# Altium PCB SimPad_2_Anniversary_Edition.PcbDoc
Units mm, origin at the board's own origin, x right, y up, seen from the top; angles counter-clockwise.
Board outline 50 x 50 mm, 2 copper layers (Top Layer, Bottom Layer); 19 components, 26 nets, 114 pads, 49 vias.
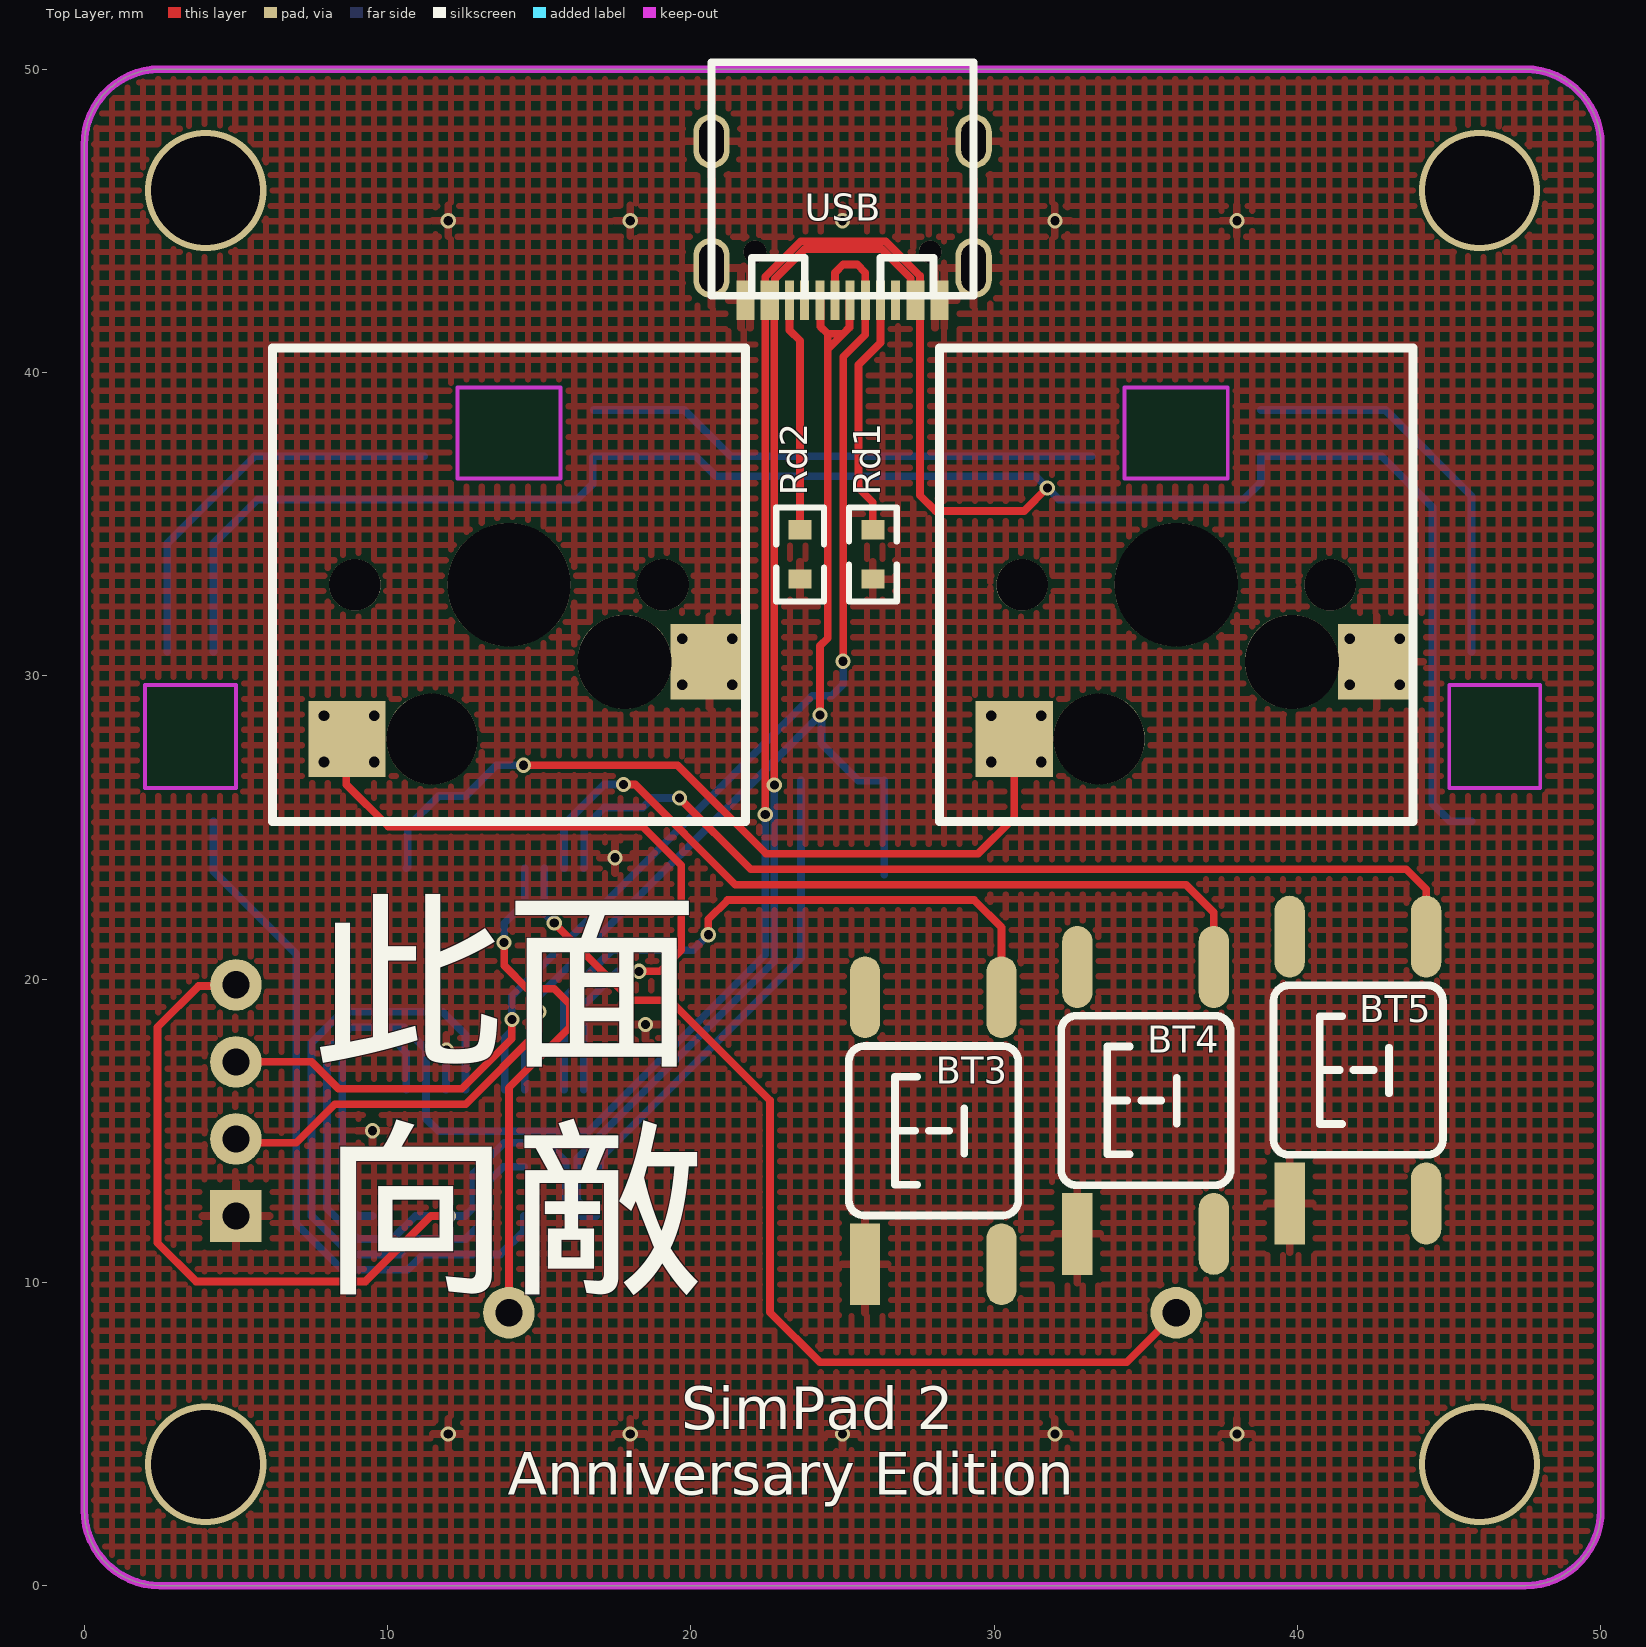
[diagram p0: Top Layer view]
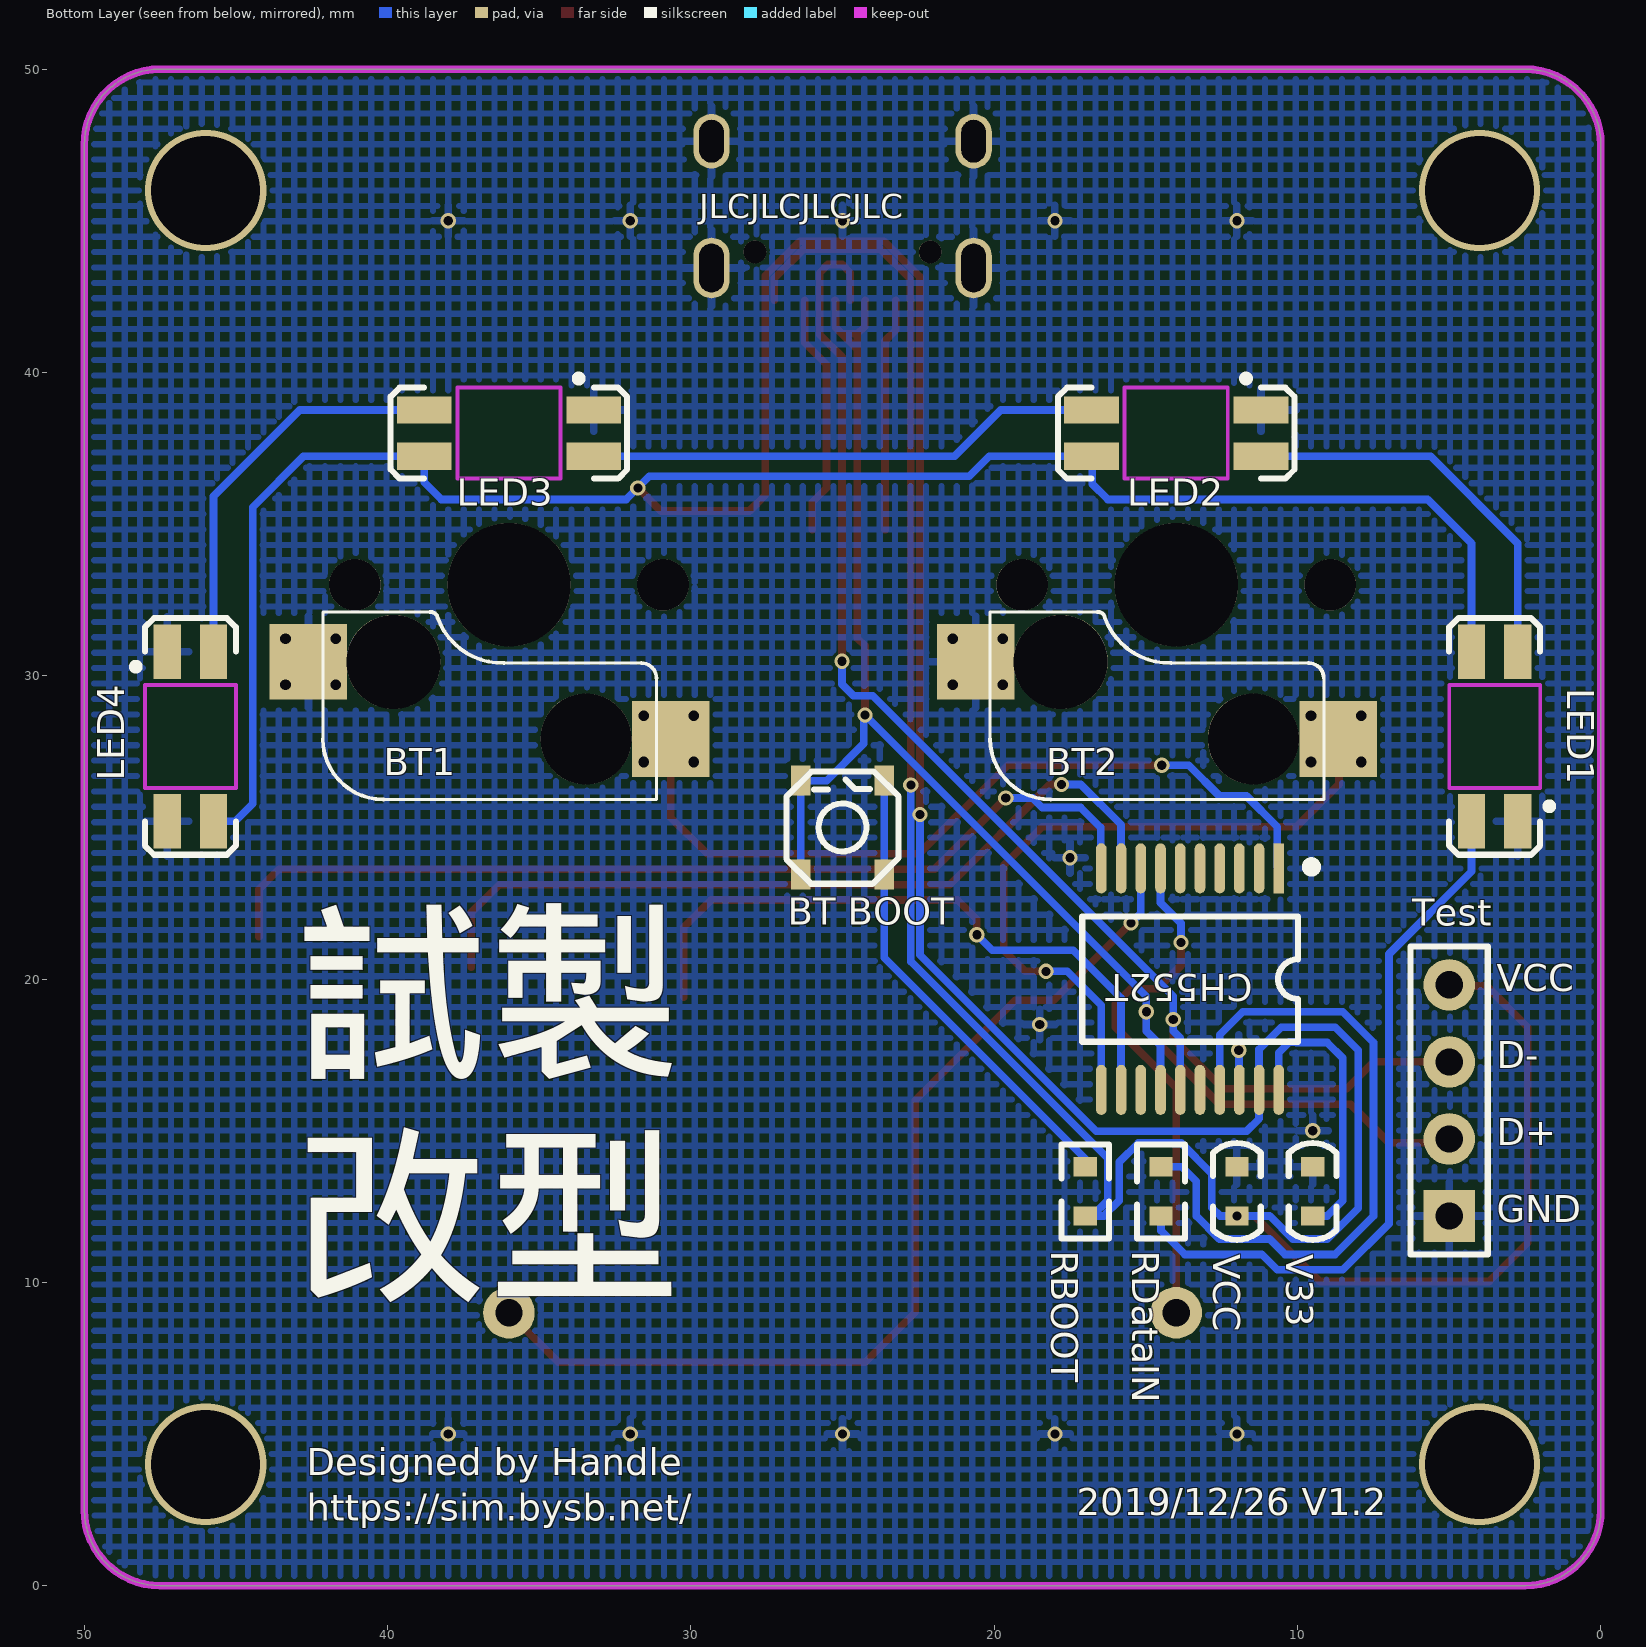
[diagram p1: Bottom Layer view, seen from below]

## Layer stack, top to bottom
Top Solder: solder mask 0.0102, Solder Resist, Dk 3.5
Top Layer: signal copper 0.0356
Dielectric 1: dielectric 0.32, FR-4, Dk 4.8
Bottom Layer: signal copper 0.0356
Bottom Solder: solder mask 0.0102, Solder Resist, Dk 3.5

## Board outline
2.5,0 cw(c2.5,2.5) 0,2.5 0,47.498 0,47.5 cw(c2.5,47.5) 2.5,50 2.502,50 47.5,50 cw(c47.5,47.5) 50,47.5 50,2.502 50,2.5 cw(c47.5,2.5) 47.5,0 47.498,0

## Design rules (kind name [scope] priority, off if disabled: settings)
Clearance [All] p1: gap=0.1 ignorepadtopadclearanceinfootprint=FALSE
ComponentClearance [All] p1: gap=0.254 collisioncheckmode=3 verticalgap=2540 showdistances=FALSE
PolygonConnect [All] p1: connectstyle=Relief reliefconductorwidth=0.254 reliefentries=4 polygonreliefangle="90 Angle" airgapwidth=0.254
RoutingVias [All] p1: holewidth=0.711 width=1.27 viastyle="Through Hole" minholewidth=0.711 minwidth=1.27 maxholewidth=0.711 maxwidth=1.27
SilkToSilkClearance [All] p1: silktosilkclearance=0.127
SolderMaskExpansion [All] p1: expansion=0.102
Width [All] p1: maxlimit=2 minlimit=0.1 preferedwidth=0.254
28 further rules are at their usual default settings.

## Components (designator, comment, footprint, x,y, rotation, side; value= is the part's Value field where it differs from the comment)
BT1 "轴体" Switch_Socket_5P 36,33 r180 bottom
BT2 "轴体" Switch_Socket_5P 14,33 r180 bottom
BT3 "6x6x5" "TSW SMD-6*6*4.3" 28,15 r90 top
BT4 "6x6x5" "TSW SMD-6*6*4.3" 35,16 r90 top
BT5 "6x6x5" "TSW SMD-6*6*4.3" 42,17 r90 top
"BT BOOT" "贴片开关" "3.7x3.7 Switch" 25.003,25 r90 bottom
CH552T "CH552T" SSOP20 13.542,20 r90 bottom
LED1 "WS2812B" "3528B LED" 3.5,28 r90 bottom
LED2 "WS2812B" "3528B LED" 14,38 r0 bottom
LED3 "WS2812B" "3528B LED" 36,38 r0 bottom
LED4 "WS2812B" "3528B LED" 46.5,28 r270 bottom
RBOOT "5.1KΩ" 0603R 17,13 r270 bottom
Rd1 "5.1KΩ" 0603R 26,34 r270 top
Rd2 "5.1KΩ" 0603R 23.6,34 r90 top
RDataIN "500Ω" 0603R 14.5,13 r90 bottom
Test "HDR-1X4" HDR2.54-M-LI-4P 5,16 r90 bottom
USB "USB-C" USB-typeC-16P-SMT 25,45 r180 top
V33 "0.1μF" 0603C 9.5,13 r90 bottom
VCC "0.1μF" 0603C 12,13 r90 bottom

## Footprints (in the part's own frame and the unit in brackets; to place one, negate y for a bottom-side part, rotate by r counter-clockwise, add the part's x,y. Pads: shape width x height; smd on the part's side, far side on the other; paste and mask are expansions set on the pad)
"3.7x3.7 Switch" [mm] "贴片轻触簧片"
  rect 1x0.65 smd: 1(-1.55,1.375) 2(1.55,1.375) 3(-1.55,-1.375) 4(1.55,-1.375)
  silkscreen extent -1.86,-1.85 1.84,1.85
0603C [mil] "0603封装 电容"
  rect 25x30 smd: 1(-32,0) 2(32,0)
  silkscreen extent -63,-31 63,31
0603R [mil] "0603封装 电阻"
  rect 25x30 smd: 1(-32,0) 2(32,0)
  silkscreen extent -61,-31 61,31
"3528B LED" [mm] "WS2812B  反贴"
  rect 1.8x0.9 smd: 1(2.794,0.762) 2(2.794,-0.762) 3(-2.794,-0.762) 4(-2.794,0.762)
  Keep-Out Layer lines w0.127: -1.7,-1.5 -1.7,1.5 1.7,1.5 1.7,-1.5 -1.7,-1.5
  silkscreen extent -3.9,-1.9 3.9,1.5
HDR2.54-M-LI-4P [mm] "排母，4脚"
  rect 1.7x1.7 hole 0.9: 1(-3.81,0)
  round 1.7 hole 0.9: 2(-1.27,0) 3(1.27,0) 4(3.81,0)
  silkscreen extent -5.08,-1.27 5.08,1.27, body extent -5.08,-1.27 5.08,1.27, height 8.5
SSOP20 [mm]
  rect 1.65x0.35 smd: 1(3.65,-2.925)
  oval 1.65x0.35 smd: 2(3.65,-2.275) 3(3.65,-1.625) 4(3.65,-0.975) 5(3.65,-0.325) 6(3.65,0.325) 7(3.65,0.975) 8(3.65,1.625) 9(3.65,2.275) 10(3.65,2.925) 11(-3.65,2.925) 12(-3.65,2.275) 13(-3.65,1.625) 14(-3.65,0.975) 15(-3.65,0.325) 16(-3.65,-0.325) 17(-3.65,-0.975) 18(-3.65,-1.625) 19(-3.65,-2.275) 20(-3.65,-2.925)
  silkscreen extent -2.07,-4.13 3.83,3.56, body extent -3.85,-3.6 3.85,3.6, height 1.65
Switch_Socket_5P [mm] "按键插座5P"
  rect 2.55x2.5 smd far side: 1(-6.61,-2.54) 2(5.34,-5.08)
  rect 2.55x2.5 smd: 1(-6.61,-2.54) 2(5.34,-5.08)
  round 1.702 hole 1.702: ""(-5.08,0) ""(5.08,0)
  round 3.1 hole 3.1: ""(-3.81,-2.54)
  round 4.064 hole 4.064: ""(0,0) ""(0,0)
  round 1.524 hole 3.9: ""(0,0)
  round 3 hole 3: ""(2.54,-5.08)
  silkscreen extent -6.14,-7.08 4.87,-0.9
"TSW SMD-6*6*4.3" [mm] "6*6*4.3mm"
  rect 2.7x1 smd: 1(-4.4,2.261)
  oval 2.7x1 smd: 2(-4.4,-2.239) 3(4.4,-2.239) 4(4.4,2.261)
  silkscreen extent -2.79,-2.79 2.79,2.79, body extent -4.5,-3 4.5,3, height 4.25
USB-typeC-16P-SMT [mm]
  oval 1.2x1.8 hole 0.8 slot 1.4 at 90 deg: 0(-4.32,-2.624) 0(4.32,-2.624)
  oval 1.2x2 hole 0.8 slot 1.6 at 90 deg: 0(-4.32,1.556) 0(4.32,1.556)
  rect 0.3x1.3 smd: A1(-3.35,2.623) A4(-2.55,2.623) A5(-1.25,2.623) A6(-0.25,2.623) A7(0.25,2.623) A8(1.25,2.624) A9(2.55,2.623) A12(3.35,2.623) B1(3.05,2.623) B4(2.25,2.623) B5(1.75,2.623) B6(0.75,2.623) B7(-0.75,2.623) B8(-1.75,2.624) B9(-2.25,2.623) B12(-3.05,2.623)
  round 0.75 hole 0.75 unplated: ""(-2.89,1.026) ""(2.89,1.026)
  silkscreen extent -4.32,-5.23 4.32,2.47, body extent -4.62,-6.35 4.63,2.75, height 3.35

## Part data
BT1 BT2: "热插拔插座", BOM名称=直插6, 学习资源=www.oooc
BT3 BT4 BT5: library part "TSW SMD-6x6", "贴片6x6轻触开关", BOM名称=贴片6
"BT BOOT": "贴片迷你开关", BOM名称=贴片6, 学习资源=www.oooc
CH552T: "WCH CH552T"
LED1 LED2 LED3 LED4: "WS2812B 全彩LED灯"
RBOOT Rd1 Rd2 RDataIN: library part R, "贴片电阻", BOM名称=Ì, 学习资源=www.oooc
Test: library part "Header 4", "4P接插件", BOM名称=4P, 学习资源=www.oooc
USB: library part USB-C/16P-SMT, "USB-C型母接口", BOM名称=USB-CÐ, 学习资源=www.by
V33 VCC: library part C, "无极性贴片电容", BOM名称=无, 学习资源=www.oooc

## Free pads (board coordinates)
  round 1.7 hole 0.9: 3(14,9) 3(36,9)

## Via types
v1: diameter 0.5, hole 0.3, Top Layer to Bottom Layer, 29 vias
v2: diameter 0.6, hole 0.35, Top Layer to Bottom Layer, 16 vias
v3: diameter 4, hole 3.6, Top Layer to Bottom Layer, 4 vias

## Nets (pads, with @x,y where several pads share a name; then routed paths per layer and width w, separated by ;. In a path a pad name is that pad's centre, name@x,y a point inside that pad or via, vN(x,y) a via of type N, cw(c..) or ccw(c..) an arc to the next point about the centre after c; other vN are vias at no path point)
1.0: CH552T.7 pad.3@14,9 | length 17.2
  Top Layer w0.254: v1(13.843,21.209) 13.843,20.447 14.605,19.685 15.494,19.685 16.002,19.177 16.002,18.415 14,16.413 pad.3@14,9
  Bottom Layer w0.254: v1(13.843,21.209) 13.843,21.844 14.517,22.518 CH552T.7
1.1: CH552T.8 pad.3@36,9 | length 33.2
  Top Layer w0.254: v1(15.494,21.844) 18.034,19.304 19.304,19.304 22.606,16.002 22.606,9.017 24.257,7.366 34.366,7.366 pad.3@36,9
  Bottom Layer w0.254: CH552T.8 15.167,22.171 v1(15.494,21.844)
1.2: CH552T.17 RDataIN.2 | length 22.7
  Bottom Layer w0.254: CH552T.17 12.567,18.167 11.811,18.923 8.509,18.923 7.493,17.907 7.493,12.192 8.763,10.922 10.414,10.922 10.922,11.43 12.573,11.43 13.335,12.192 13.335,13.335 13.813,13.813 RDataIN.2
1.3: CH552T.16
1.4: CH552T.2
1.5: CH552T.3
1.6: CH552T.4
1.7: CH552T.5
3.0: BT5.3 CH552T.10 | length 32.3
  Top Layer w0.254: v1(19.621,25.971) 21.971,23.622 43.583,23.622 44.239,22.965 BT5.3
  Bottom Layer w0.254: CH552T.10 16.486,23.668 16.486,24.995 17.145,25.654 18.415,25.654 18.732,25.971 v1(19.621,25.971)
3.1: BT4.3 CH552T.9 | length 27
  Top Layer w0.254: v1(17.78,26.416) 18.161,26.416 21.463,23.114 36.322,23.114 37.239,22.197 BT4.3
  Bottom Layer w0.254: CH552T.9 15.818,25.089 17.145,26.416 v1(17.78,26.416)
3.2: BT1.2 CH552T.1 | length 26.5
  Top Layer w0.254: v1(14.478,27.051) 19.558,27.051 22.479,24.13 29.464,24.13 30.66,25.326 BT1.2@30.66,27.92
  Bottom Layer w0.254: CH552T.1 10.665,23.698 10.665,25.016 11.684,26.035 12.573,26.035 13.589,27.051 v1(14.478,27.051)
  other v2: 29.904,27.158 31.555,27.158 29.904,28.682 31.555,28.682
3.3: BT2.2 CH552T.11 | length 23.3
  Top Layer w0.254: BT2.2@8.63,27.94 8.636,27.934 8.636,26.416 10.033,25.019 18.415,25.019 19.685,23.749 19.685,20.955 18.986,20.256 v1(18.288,20.256) v1@18.288,20.32
  Bottom Layer w0.254: CH552T.11 16.467,19.134 17.59,20.256 v1(18.288,20.256)
  other v2: 7.904,27.158 9.555,27.158 7.904,28.682 9.555,28.682
3.4: BT3.3 CH552T.12 | length 21.8
  Top Layer w0.254: v1(20.574,21.463) 20.574,21.971 21.209,22.606 29.337,22.606 30.239,21.704 BT3.3
  Bottom Layer w0.254: CH552T.12 15.818,19.374 17.399,20.955 20.066,20.955 v1(20.574,21.463)
3.5: CH552T.13
D+: "BT BOOT.1" "BT BOOT.2" CH552T.14 Test.2 USB.A6 USB.B6 | length 51.5
  Top Layer w0.254: Test.2 5.125,14.605 6.985,14.605 8.255,15.875 12.573,15.875 14.986,18.288 v1(14.986,18.923) ; USB.B6 24.273,42.354 24.273,41.513 24.511,41.275 ; v1(24.257,28.702) 24.257,30.988 24.511,31.242 24.511,40.767 ; USB.A6 25.227,42.354 25.227,41.483 25.019,41.275 ; 24.511,40.767 24.511,41.275 ; 24.511,40.767 25.019,41.275 ; 24.511,41.275 25.019,41.275
  Bottom Layer w0.254: CH552T.14 14.517,17.819 14.986,18.288 v1(14.986,18.923) 14.986,19.431 v1(24.257,28.702) 24.304,28.655 24.304,27.766 25.527,26.543 26.371,26.543 26.378,26.55 26.378,23.45
D-: CH552T.15 Test.3 USB.A7 USB.B7 | length 45.2
  Top Layer w0.254: Test.3 5.002,17.272 7.493,17.272 8.382,16.383 12.446,16.383 14.097,18.034 v1(14.097,18.669) ; USB.A7 24.75,43.292 25.019,43.561 25.481,43.561 25.75,43.292 USB.B7 25.75,41.244 25.019,40.513 v1(25.019,30.48)
  Bottom Layer w0.254: CH552T.15 13.867,18.058 14.097,18.288 v1(14.097,18.669) 14.097,19.431 24.003,29.337 24.638,29.337 25.019,29.718 v1(25.019,30.48) v1@24.972,30.433
GND: BT1.1 BT2.1 BT3.1 BT4.1 BT5.1 CH552T.18 LED1.3 LED2.3 LED3.3 LED4.2 LED4.3 Rd1.2 Rd2.1 Test.1 USB.0 USB.A1 USB.A12 USB.B1 USB.B12 V33.2 VCC.2 | length 1.3
  Bottom Layer w0.254: CH552T.18 11.928,16.36 11.928,17.643 v1(11.938,17.653)
  other v1: 12,5 18,5 25,5 32,5 38,5 9.5,15 18.5,18.5 17.5,24 12,45 18,45 25,45 32,45 38,45
  other v2: 19.715,29.698 21.366,29.698 41.715,29.698 43.366,29.698 19.715,31.222 21.366,31.222 41.715,31.222 43.366,31.222
"NetBT BOOT_3": "BT BOOT.3" "BT BOOT.4" RBOOT.1 | length 15.5
  Bottom Layer w0.254: RBOOT.1 17,14.079 23.628,20.707 23.628,23.45 23.628,26.55
NetLED1_2: LED1.2 LED2.4 | length 13.2
  Bottom Layer w0.254: LED1.2 2.738,34.361 5.615,37.238 LED2.4
NetLED1_4: LED1.4 RDataIN.1 | length 23.6
  Bottom Layer w0.254: LED1.4 4.262,23.551 6.985,20.828 6.985,11.938 8.509,10.414 10.668,10.414 11.176,10.922 13.716,10.922 14.5,11.706 RDataIN.1
NetLED2_2: LED2.2 LED3.4 | length 17
  Bottom Layer w0.254: LED2.2 19.785,38.762 21.309,37.238 LED3.4
NetLED3_2: LED3.2 LED4.4 | length 13.2
  Bottom Layer w0.254: LED3.2 42.899,38.762 45.738,35.923 LED4.4
NetRd1_1: Rd1.1 USB.A5 | length 8.1
  Top Layer w0.254: Rd1.1 26,35.722 25.527,36.195 25.527,40.259 26.25,40.982 USB.A5
NetRd2_2: Rd2.2 USB.B5 | length 7.7
  Top Layer w0.254: USB.B5 23.25,41.393 23.6,41.043 Rd2.2
V3: CH552T.20 V33.1 | length 9.6
  Bottom Layer w0.254: V33.1 9.495,12.192 9.017,12.192 8.509,12.7 8.509,17.399 9.017,17.907 10.033,17.907 10.055,17.929 10.265,17.929 10.617,17.577 CH552T.20
VCC: CH552T.19 LED1.1 LED2.1 LED3.1 LED4.1 RBOOT.2 Test.4 USB.A4 USB.A9 USB.B4 USB.B9 VCC.1 | length 198.8
  Top Layer w0.254: Test.4 4.961,19.771 3.769,19.771 2.413,18.415 2.413,11.303 3.683,10.033 9.271,10.033 11.43,12.192 11.995,12.192 v1(12,12.187) ; v1(22.45,25.429) USB.A9 22.45,43.151 23.622,44.323 26.416,44.323 27.55,43.189 USB.A4 27.55,35.95 28.067,35.433 30.988,35.433 v1(31.75,36.195) ; v1(22.75,26.399) USB.B4 22.773,42.4 22.773,43.093 23.749,44.069 26.289,44.069 27.25,43.108 USB.B9
  Bottom Layer w0.254: LED1.1 4.262,34.361 5.715,35.814 16.256,35.814 16.764,36.322 16.764,37.208 LED2.1 20.166,37.238 20.828,36.576 31.369,36.576 v1(31.75,36.195) 32.131,35.814 38.227,35.814 38.794,36.381 LED3.1 42.772,37.238 44.45,35.56 44.45,25.781 45.025,25.206 LED4.1 ; RBOOT.2@16.868,12.192 RBOOT.2@16.764,12.192 ; v1(22.45,25.429) 22.45,20.799 16.637,14.986 11.684,14.986 11.267,15.403 CH552T.19 11.267,17.689 10.541,18.415 8.763,18.415 8.001,17.653 8.001,12.446 9.017,11.43 10.16,11.43 10.922,12.192 11.995,12.192 v1(12,12.187) 12.005,12.192 12.551,12.192 12.827,12.468 12.827,13.589 13.843,14.605 15.24,14.605 15.875,13.97 15.875,12.7 16.383,12.192 RBOOT.2@16.764,12.192 ; v1(22.75,26.399) 22.75,20.582 16.256,14.088 16.256,12.7 RBOOT.2@16.764,12.192
pads on no net: BT1. BT2. BT3.2 BT3.4 BT4.2 BT4.4 BT5.2 BT5.4 CH552T.6 USB. USB.A8 USB.B8
copper on no net:
  other v3: 4,4 46,4 4,46 46,46

## Polygon pours and split planes (outlines as drawn)
GND on Top Layer "Top Layer-GND" (hatched 90Degree grid 0.508 track 0.203, remove dead copper, pour order 11): -5.842,51.054 -6.35,50.546 -6.35,-6.35 57.277,-6.35 59.69,-3.937 59.69,54.356 12.573,54.356 8.636,58.293
GND on Bottom Layer "Bottom Layer-GND" (hatched 90Degree grid 0.508 track 0.203, remove dead copper, pour order 13): -8.509,51.943 -5.969,49.403 -5.969,-9.525 62.484,-9.525 66.167,-5.842 64.008,-3.683 64.008,60.325 29.464,60.325 27.559,58.42

## Keep-outs
Keep-Out Layer:
  lines w0.254: 0,2.5 ccw(c2.5,2.5) 2.5,0 47.5,0 ccw(c47.5,2.5) 50,2.5 50,47.5 ccw(c47.5,47.5) 47.5,50 2.5,50 ccw(c2.5,47.5) 0,47.5 0,2.5

## Silkscreen, mask and mechanical layers (free items; w line width, h text height)
Top Overlay:
  text "此面" at 7.493,16.129 h8
  text "向敵" at 7.747,8.636 h8
  text "SimPad 2" at 19.685,4.699 h2.4
  text "Anniversary Edition" at 13.97,2.54 h2.4
Bottom Overlay:
  text "JLCJLCJLCJLC" at 29.718,45.085 h0.8
  text "VCC" at 3.429,19.304 h1.52
  text "D-" at 3.429,16.764 h1.52
  text "試製" at 43.053,15.748 h8
  text "D+" at 3.429,14.224 h1.52
  text "GND" at 3.429,11.684 h1.52
  text "改型" at 43.079,8.408 h8
  text "Designed by Handle" at 42.672,3.349 h1.52
  text "2019/12/26 V1.2" at 17.272,2.032 h1.52
  text "https://sim.bysb.net/" at 42.672,1.849 h1.52